# Altium PCB Thunderscope_Rev5.PCBDOC (part 6 of 7) (continued)
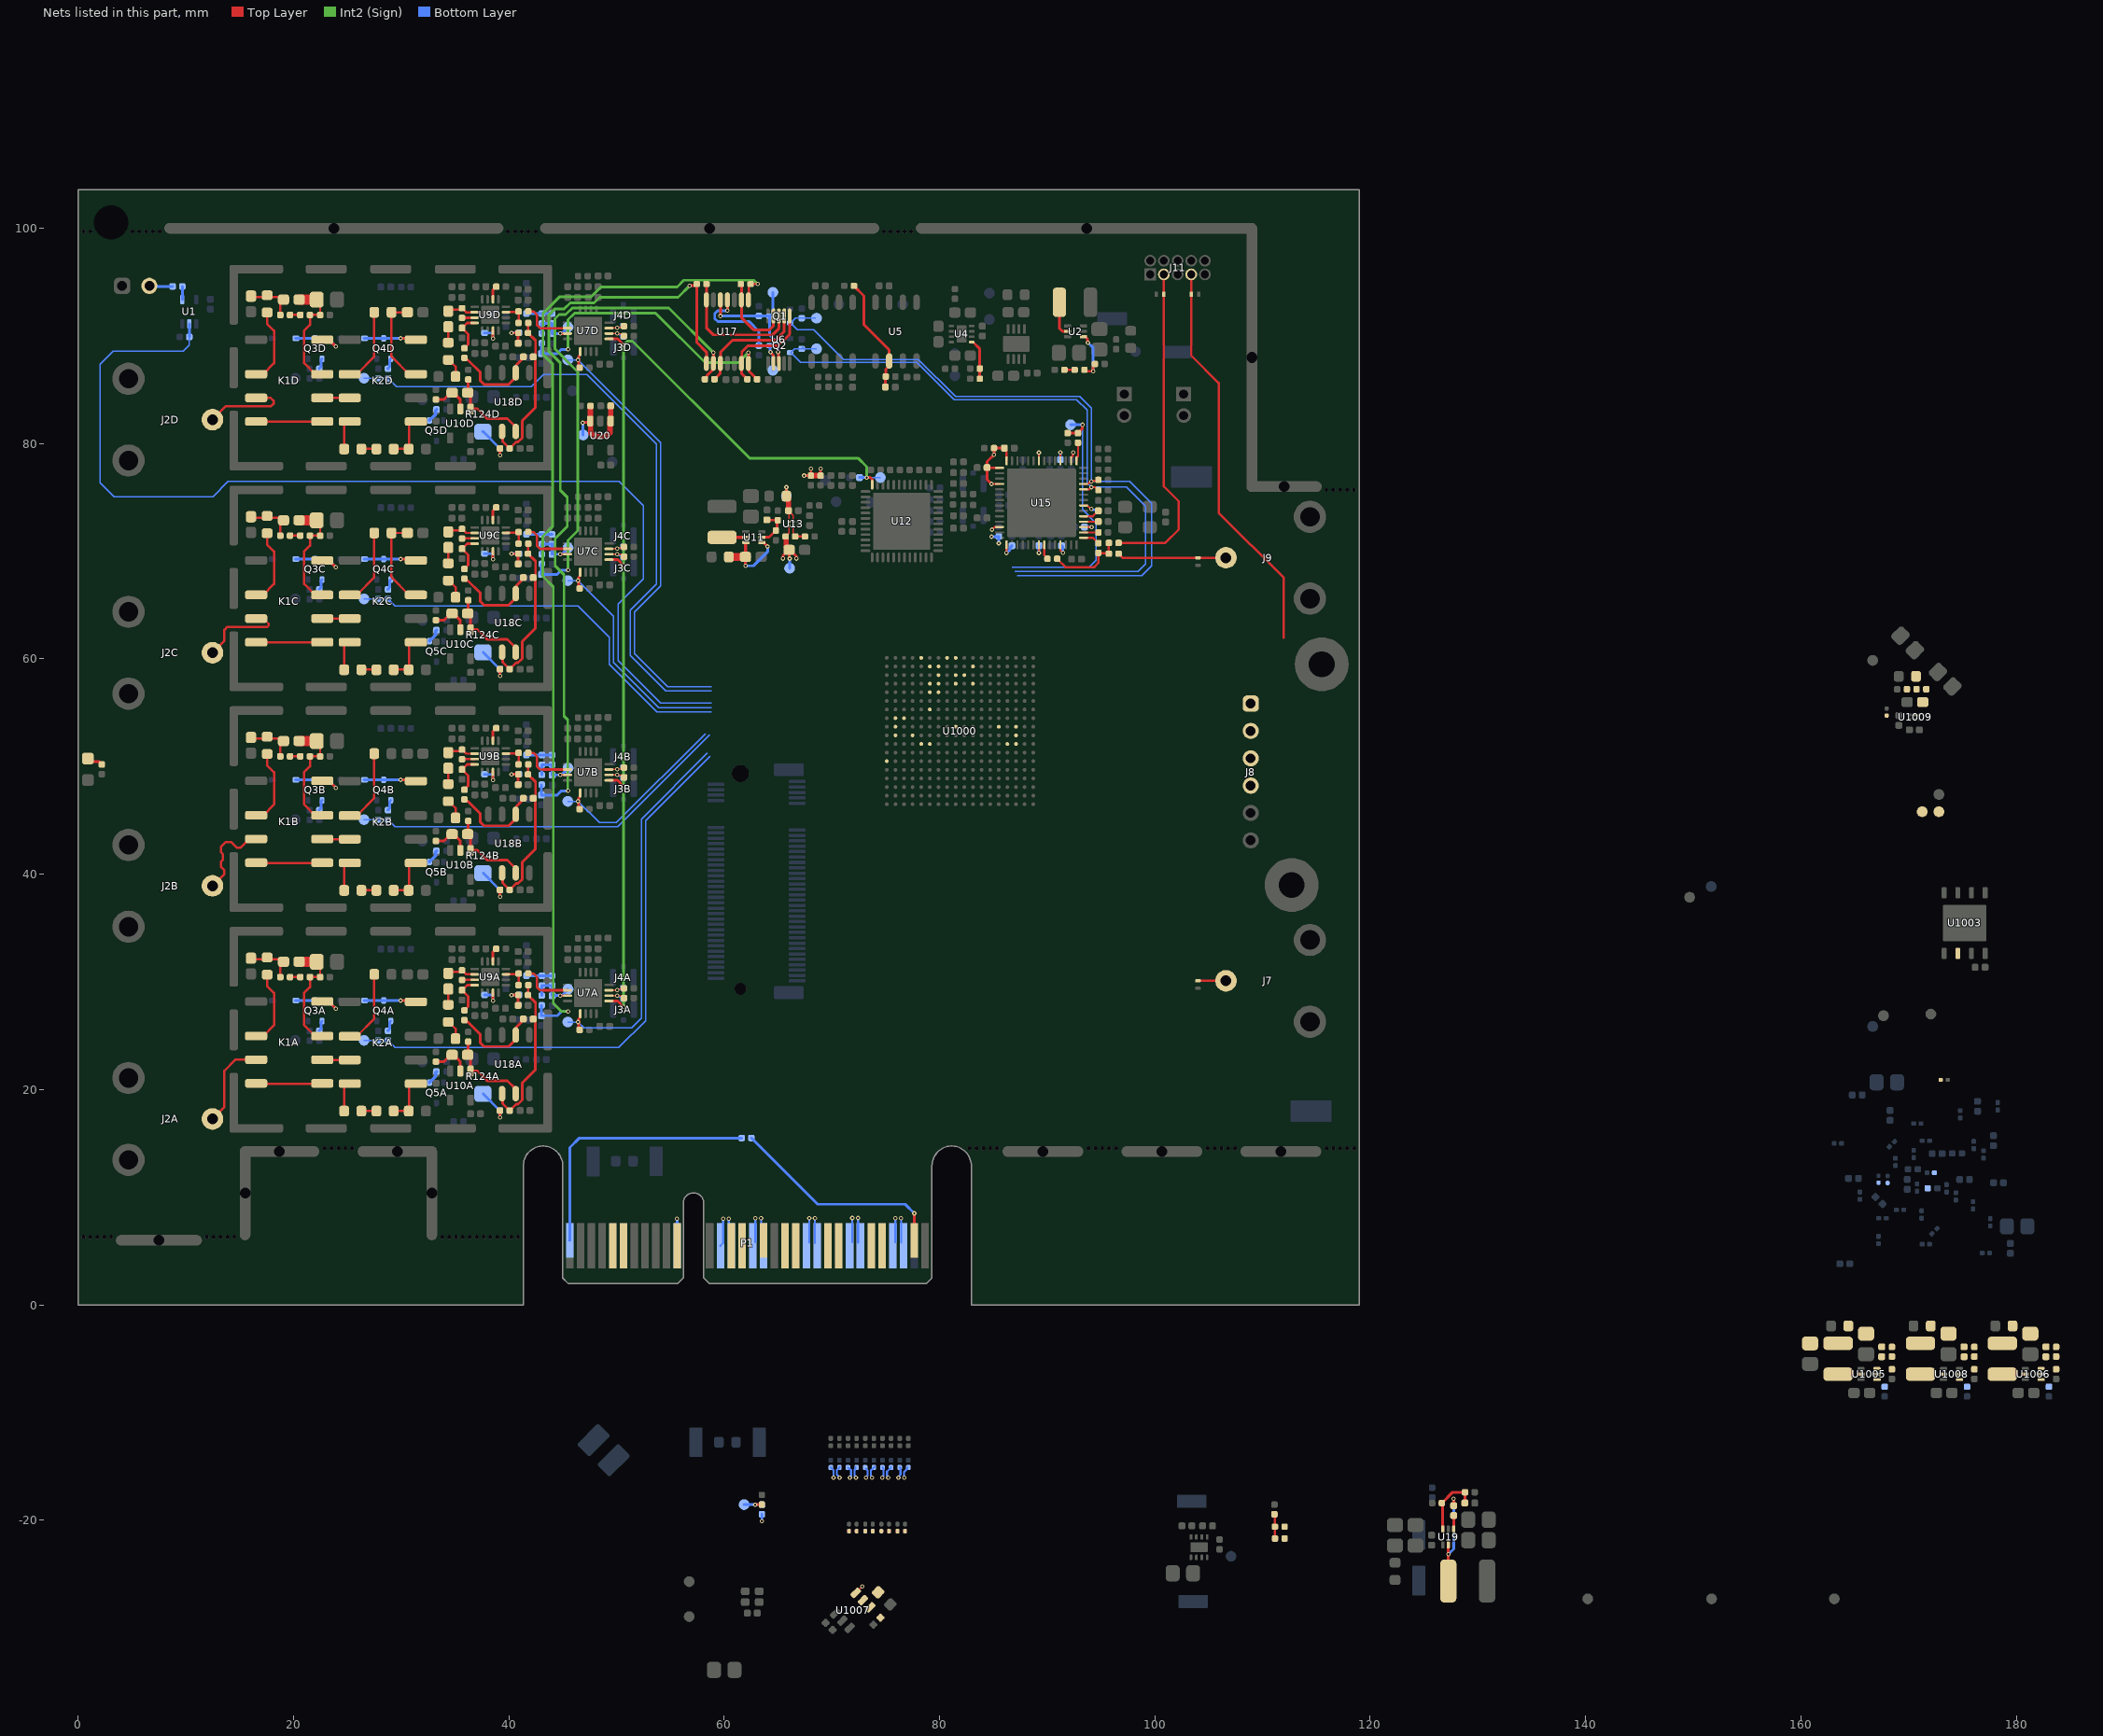
[diagram p10: the nets of this part, all layers, seen from the top]
## Nets (pads, with @x,y where several pads share a name; then routed paths per layer and width w, separated by ;. In a path a pad name is that pad's centre, name@x,y a point inside that pad or via, vN(x,y) a via of type N, cw(c..) or ccw(c..) an arc to the next point about the centre after c; other vN are vias at no path point) (continued)
  Top Layer w0.213: R29A.2@29.3,18.025 R41A.2@30.7,18.025 ; R41A.2@30.725,18 K2A.5@30.725,20.314 ; K2A.5@30.725,20.389 31.011,20.675 K2A.5@31.37,20.675
NetK2B_2: K2B.2 R31B.1 | length 7.1
  Top Layer w0.213: K2B.2@25.225,45.45 25.875,45.45 27.5,47.075 R31B.1@27.5,51.2
NetK2B_4: K2B.4 R30B.1 | length 3
  Top Layer w0.213: R30B.1@24.7,38.5 K2B.4@24.7,40.814 ; K2B.4@24.7,40.889 24.986,41.175 K2B.4@25.23,41.175
NetK2B_5: K2B.5 R29B.2 R41B.2 | length 4.5
  Top Layer w0.213: R29B.2@29.3,38.525 R41B.2@30.7,38.525 ; R41B.2@30.725,38.5 K2B.5@30.725,40.814 ; K2B.5@30.725,40.889 31.011,41.175 K2B.5@31.37,41.175
NetK2C_2: K2C.2 R31C.1 | length 7.1
  Top Layer w0.213: K2C.2@25.225,65.95 25.875,65.95 27.5,67.575 R31C.1@27.5,71.7
NetK2C_4: K2C.4 R30C.1 | length 3
  Top Layer w0.213: R30C.1@24.7,59 K2C.4@24.7,61.314 ; K2C.4@24.7,61.389 24.986,61.675 K2C.4@25.23,61.675
NetK2C_5: K2C.5 R29C.2 R41C.2 | length 4.5
  Top Layer w0.213: R29C.2@29.3,59.025 R41C.2@30.7,59.025 ; R41C.2@30.725,59 K2C.5@30.725,61.314 ; K2C.5@30.725,61.389 31.011,61.675 K2C.5@31.37,61.675
NetK2D_2: K2D.2 R31D.1 | length 7.1
  Top Layer w0.213: K2D.2@25.225,86.45 25.875,86.45 27.5,88.075 R31D.1@27.5,92.2
NetK2D_4: K2D.4 R30D.1 | length 3
  Top Layer w0.213: R30D.1@24.7,79.5 K2D.4@24.7,81.814 ; K2D.4@24.7,81.889 24.986,82.175 K2D.4@25.23,82.175
NetK2D_5: K2D.5 R29D.2 R41D.2 | length 4.5
  Top Layer w0.213: R29D.2@29.3,79.525 R41D.2@30.7,79.525 ; R41D.2@30.725,79.5 K2D.5@30.725,81.814 ; K2D.5@30.725,81.889 31.011,82.175 K2D.5@31.37,82.175
NetL1_2: L1.2 U2.5 | length 3.3
  Top Layer w0.254: L1.2@91.14,93.125 91.14,90.71 91.419,90.431 91.879,90.431 U2.5@91.885,90.425
NetL2_1: L2.1 U11.2 | length 2.2
  Top Layer w0.254: L2.1@59.8,71.29 L2.1@59.805,71.295
  Top Layer w0.3: L2.1@59.81,71.3 U11.2@62.01,71.3
NetL1000_1: L1000.1 U1005.2
NetL1001_1: L1001.1 U1006.2
NetL1002_1: L1002.1 U1008.2
NetQ3A_2: Q3A.2 R47A.1 | length 1
  Bottom Layer w0.254: R47A.1@22.4,25.475 22.55,25.625 22.55,26.275 Q3A.2@22.65,26.375
NetQ3B_2: Q3B.2 R47B.1 | length 1
  Bottom Layer w0.254: R47B.1@22.4,45.975 22.55,46.125 22.55,46.775 Q3B.2@22.65,46.875
NetQ3C_2: Q3C.2 R47C.1 | length 1
  Bottom Layer w0.254: R47C.1@22.4,66.475 22.55,66.625 22.55,67.275 Q3C.2@22.65,67.375
NetQ3D_2: Q3D.2 R47D.1 | length 1
  Bottom Layer w0.254: R47D.1@22.4,86.975 22.55,87.125 22.55,87.775 Q3D.2@22.65,87.875
NetQ4A_2: Q4A.2 R48A.1 | length 1
  Bottom Layer w0.254: R48A.1@28.775,25.475 28.925,25.625 28.925,26.275 Q4A.2@29.025,26.375
NetQ4B_2: Q4B.2 R48B.1 | length 1
  Bottom Layer w0.254: R48B.1@28.775,45.975 28.925,46.125 28.925,46.775 Q4B.2@29.025,46.875
NetQ4C_2: Q4C.2 R48C.1 | length 1
  Bottom Layer w0.254: R48C.1@28.775,66.475 28.925,66.625 28.925,67.275 Q4C.2@29.025,67.375
NetQ4D_2: Q4D.2 R48D.1 | length 1
  Bottom Layer w0.254: R48D.1@28.775,86.975 28.925,87.125 28.925,87.775 Q4D.2@29.025,87.875
NetQ5A_2: Q5A.2 R126A.1 | length 1.3
  Bottom Layer w0.3: Q5A.2@32.625,20.65 32.625,20.715 32.71,20.8 32.775,20.8 33.188,21.213 33.188,21.588 R126A.1@33.275,21.675
NetQ5B_2: Q5B.2 R126B.1 | length 1.3
  Bottom Layer w0.3: Q5B.2@32.625,41.15 32.625,41.215 32.71,41.3 32.775,41.3 33.188,41.713 33.188,42.088 R126B.1@33.275,42.175
NetQ5C_2: Q5C.2 R126C.1 | length 1.3
  Bottom Layer w0.3: Q5C.2@32.625,61.65 32.625,61.715 32.71,61.8 32.775,61.8 33.188,62.213 33.188,62.588 R126C.1@33.275,62.675
NetQ5D_2: Q5D.2 R126D.1 | length 1.3
  Bottom Layer w0.3: Q5D.2@32.625,82.15 32.625,82.215 32.71,82.3 32.775,82.3 33.188,82.713 33.188,83.088 R126D.1@33.275,83.175
NetR1_2: R1.2 U1.4 | length 1.2
  Bottom Layer w0.254: U1.4@9.675,93.375 R1.2@9.675,94.6
NetR10_1: R10.1 R12.2 | length 0.9
  Top Layer w0.254: R10.1@91.6,86.85 R12.2@92.55,86.85
NetR11_1: R11.1 R13.2 U4.5 | length 3.8
  Top Layer w0.254: U4.5@82.991,89.426 83.112,89.426 83.741,88.797 R13.2@83.741,86.976 R11.1@83.741,86.026
NetR12_1: R12.1 R105.2 U2.1 | length 5.3
  Top Layer w0.254: U2.1@93.365,89.925 93.55,89.925 93.746,89.729 93.746,89.404 v1(93.775,89.375) ; R12.1@93.45,86.85 93.58,86.72 v1(94.27,86.72) 94.27,87.245 R105.2@94.425,87.4
  Bottom Layer w0.254: v1(93.775,89.375) 94.27,88.88 v1(94.27,86.72)
NetR28_1: R28.1 U15.29 | length 1.7
  Top Layer w0.2: U15.29@92.725,78.4 92.725,78.725 92.86,78.86 92.86,80.065 R28.1@92.85,80.075
NetR29A_1: R29A.1 R30A.2 | length 1.4
  Top Layer w0.213: R30A.2@26.3,18.025 R29A.1@27.7,18.025
NetR29B_1: R29B.1 R30B.2 | length 1.4
  Top Layer w0.213: R30B.2@26.3,38.525 R29B.1@27.7,38.525
NetR29C_1: R29C.1 R30C.2 | length 1.4
  Top Layer w0.213: R30C.2@26.3,59.025 R29C.1@27.7,59.025
NetR29D_1: R29D.1 R30D.2 | length 1.4
  Top Layer w0.213: R30D.2@26.3,79.525 R29D.1@27.7,79.525
NetR32A_2: R32A.2 R33A.1 | length 0.9
  Top Layer w0.213: R32A.2@19.675,30.45 R33A.1@20.625,30.45
NetR32B_2: R32B.2 R33B.1 | length 0.9
  Top Layer w0.213: R32B.2@19.675,50.95 R33B.1@20.625,50.95
NetR32C_2: R32C.2 R33C.1 | length 0.9
  Top Layer w0.213: R32C.2@19.675,71.45 R33C.1@20.625,71.45
NetR32D_2: R32D.2 R33D.1 | length 0.9
  Top Layer w0.213: R32D.2@19.675,91.95 R33D.1@20.625,91.95
NetR53A_2: R53A.2 R54A.1 | length 1.9
  Top Layer w0.213: R54A.1@34.375,26.275 34.425,26.275 35.05,25.65 R53A.2@35.05,24.725
NetR53B_2: R53B.2 R54B.1 | length 1.9
  Top Layer w0.213: R54B.1@34.375,46.775 34.425,46.775 35.05,46.15 R53B.2@35.05,45.225
NetR53C_2: R53C.2 R54C.1 | length 1.9
  Top Layer w0.213: R54C.1@34.375,67.275 34.425,67.275 35.05,66.65 R53C.2@35.05,65.725
NetR53D_2: R53D.2 R54D.1 | length 1.9
  Top Layer w0.213: R54D.1@34.375,87.775 34.425,87.775 35.05,87.15 R53D.2@35.05,86.225
NetR55A_1: R55A.1 U9A.7 | length 2
  Top Layer w0.127: U9A.7@38.525,29 U9A.7@38.528,28.997 ; v1@38.528,28.245 v1(38.53,28.242)
  Top Layer w0.25: v1@38.528,28.245 U9A.7@38.528,28.997
  Bottom Layer w0.25: R55A.1@37.75,28.775 38.384,28.775 38.53,28.629 v1(38.53,28.242)
NetR55B_1: R55B.1 U9B.7 | length 2
  Top Layer w0.127: U9B.7@38.525,49.5 U9B.7@38.528,49.497 ; v1@38.528,48.745 v1(38.53,48.742)
  Top Layer w0.25: v1@38.528,48.745 U9B.7@38.528,49.497
  Bottom Layer w0.25: R55B.1@37.75,49.275 38.384,49.275 38.53,49.129 v1(38.53,48.742)
NetR55C_1: R55C.1 U9C.7 | length 2
  Top Layer w0.127: U9C.7@38.525,70 U9C.7@38.528,69.997 ; v1@38.528,69.245 v1(38.53,69.242)
  Top Layer w0.25: v1@38.528,69.245 U9C.7@38.528,69.997
  Bottom Layer w0.25: R55C.1@37.75,69.775 38.384,69.775 38.53,69.629 v1(38.53,69.242)
NetR55D_1: R55D.1 U9D.7 | length 2
  Top Layer w0.127: U9D.7@38.525,90.5 U9D.7@38.528,90.497 ; v1@38.528,89.745 v1(38.53,89.742)
  Top Layer w0.25: v1@38.528,89.745 U9D.7@38.528,90.497
  Bottom Layer w0.25: R55D.1@37.75,90.275 38.384,90.275 38.53,90.129 v1(38.53,89.742)
NetR56A_1: R56A.1 R98A.2 U9A.11 | length 2.3
  Top Layer w0.213: U9A.11@39.725,30.7 39.732,30.707 40.832,30.707 R56A.1@40.9,30.775 R98A.2@40.9,29.7
NetR56A_2: R56A.2 U7A.6 | length 7.2
  Top Layer w0.213: R56A.2@41.8,30.775 42.3,30.775 42.6,30.475 42.6,29.525 42.9,29.225 U7A.6@45.45,29.225
  Top Layer w0.25: 44.45,29.225 U7A.6@45.45,29.225
  Top Layer w0.254: 43.125,29.225 44.45,29.225
NetR56B_1: R56B.1 R98B.2 U9B.11 | length 2.3
  Top Layer w0.213: U9B.11@39.725,51.2 39.732,51.207 40.832,51.207 R56B.1@40.9,51.275 R98B.2@40.9,50.2
NetR56B_2: R56B.2 U7B.6 | length 7.2
  Top Layer w0.213: R56B.2@41.8,51.275 42.3,51.275 42.6,50.975 42.6,50.025 42.9,49.725 U7B.6@45.45,49.725
  Top Layer w0.25: 44.45,49.725 U7B.6@45.45,49.725
  Top Layer w0.254: 43.125,49.725 44.45,49.725
NetR56C_1: R56C.1 R98C.2 U9C.11 | length 2.3
  Top Layer w0.213: U9C.11@39.725,71.7 39.732,71.707 40.832,71.707 R56C.1@40.9,71.775 R98C.2@40.9,70.7
NetR56C_2: R56C.2 U7C.6 | length 7.2
  Top Layer w0.213: R56C.2@41.8,71.775 42.3,71.775 42.6,71.475 42.6,70.525 42.9,70.225 U7C.6@45.45,70.225
  Top Layer w0.25: 44.45,70.225 U7C.6@45.45,70.225
  Top Layer w0.254: 43.125,70.225 44.45,70.225
NetR56D_1: R56D.1 R98D.2 U9D.11 | length 2.3
  Top Layer w0.213: U9D.11@39.725,92.2 39.732,92.207 40.832,92.207 R56D.1@40.9,92.275 R98D.2@40.9,91.2
NetR56D_2: R56D.2 U7D.6 | length 4.8
  Top Layer w0.213: R56D.2@41.8,92.275 42.3,92.275 42.6,91.975 42.6,91.025 42.9,90.725 U7D.6@45.45,90.725
NetR59_1: R59.1 R61.2 U13.B1 | length 1.9
  Top Layer w0.127: U13.B1@66.425,72.35 66.425,71.55 R59.1@66.6,71.375
  Top Layer w0.254: R59.1@66.6,71.375 R61.2@67.5,71.375
NetR65A_1: R65A.1 U9A.3 | length 1.2
  Top Layer w0.25: R65A.1@35.65,30.175 35.675,30.2 U9A.3@36.825,30.2
NetR65B_1: R65B.1 U9B.3 | length 1.2
  Top Layer w0.25: R65B.1@35.65,50.675 35.675,50.7 U9B.3@36.825,50.7
NetR65C_1: R65C.1 U9C.3 | length 1.2
  Top Layer w0.25: R65C.1@35.65,71.175 35.675,71.2 U9C.3@36.825,71.2
NetR65D_1: R65D.1 U9D.3 | length 1.2
  Top Layer w0.25: R65D.1@35.65,91.675 35.675,91.7 U9D.3@36.825,91.7
NetR88_1: R88.1 U15.8 | length 1.4
  Top Layer w0.2: U15.8@89.725,70.6 89.725,69.647 90.025,69.347 R88.1@90.025,69.3
NetR120A_2: R120A.2 U9A.14 | length 1.3
  Top Layer w0.254: U9A.14@38.525,31.9 38.525,32.763 38.825,33.063 R120A.2@38.825,33.075
NetR120B_2: R120B.2 U9B.14 | length 1.3
  Top Layer w0.254: U9B.14@38.525,52.4 38.525,53.263 38.825,53.563 R120B.2@38.825,53.575
NetR120C_2: R120C.2 U9C.14 | length 1.3
  Top Layer w0.254: U9C.14@38.525,72.9 38.525,73.763 38.825,74.063 R120C.2@38.825,74.075
NetR120D_2: R120D.2 U9D.14 | length 1.3
  Top Layer w0.254: U9D.14@38.525,93.4 38.525,94.263 38.825,94.563 R120D.2@38.825,94.575
NetR121A_1: R121A.1 R123A.2 R124A.2 | length 3.5
  Top Layer w0.254: v1(39.175,17.42) R121A.1@39.175,18.05
  Bottom Layer w0.254: R124A.2@37.625,19.6 R123A.2@39.175,18.05 v1(39.175,17.42)
NetR121B_1: R121B.1 R123B.2 R124B.2 | length 3.5
  Top Layer w0.254: v1(39.175,37.92) R121B.1@39.175,38.55
  Bottom Layer w0.254: R124B.2@37.625,40.1 R123B.2@39.175,38.55 v1(39.175,37.92)
NetR121C_1: R121C.1 R123C.2 R124C.2 | length 3.5
  Top Layer w0.254: v1(39.175,58.42) R121C.1@39.175,59.05
  Bottom Layer w0.254: R124C.2@37.625,60.6 R123C.2@39.175,59.05 v1(39.175,58.42)
NetR121D_1: R121D.1 R123D.2 R124D.2 | length 3.5
  Top Layer w0.254: v1(39.175,78.92) R121D.1@39.175,79.55
  Bottom Layer w0.254: R124D.2@37.575,81.1 37.625,81.1 R123D.2@39.175,79.55 v1(39.175,78.92)
NetR1041_2: R1041.2 U1000.A6
NetR1044_1: R1044.1 U1000.T10
NetR1045_1: R1045.1 U1000.P10
NetR1047_1: R1047.1 U1005.4
NetR1059_1: R1059.1 R1061.2 U1009.B1
NetTP1009_1: TP1009.1 U1000.F12
OSC_OE: R28.2 R89.1 TP44.1 U1000.G15 | length 24.2
  Top Layer w0.254: R89.1@91.9,80.975 R28.2@92.85,80.975 92.85,80.987 93.246,81.383 93.246,81.721 v1(93.275,81.75)
  Bottom Layer w0.127: 86.725,68.5 93.875,68.5 94.55,69.175 94.55,72.6 93.275,73.875 v1(93.275,81.75)
  Bottom Layer w0.254: TP44.1@92.175,81.75 v1(93.275,81.75)
OUT_RA_N: J3A.1 R97A.1 U7A.14 | length 1.7
  Top Layer w0.127: U7A.14@49.353,28.725 v1(50.075,28.725) 50.128,28.672 R97A.1@50.528,28.672 ; R97A.1@50.536,28.664 R97A.1@50.586,28.614
  Bottom Layer w0.127: v1(50.075,28.725) 50.151,28.725 50.285,28.591 J3A.1@50.484,28.591
OUT_RA_P: J4A.1 R52A.1 U7A.15 | length 1.8
  Top Layer w0.127: U7A.15@49.3,29.225 49.317,29.241 50.038,29.241 50.108,29.311 R52A.1@50.611,29.311 ; R52A.1@50.503,29.303 R52A.1@50.553,29.253
  Bottom Layer w0.127: v1(50.055,29.258) 50.072,29.275 J4A.1@50.465,29.275
OUT_RB_N: J3B.1 R97B.1 U7B.14 | length 1.7
  Top Layer w0.127: U7B.14@49.353,49.225 v1(50.075,49.225) 50.128,49.172 R97B.1@50.528,49.172 ; R97B.1@50.561,49.139 R97B.1@50.586,49.114
  Bottom Layer w0.127: v1(50.075,49.225) 50.151,49.225 50.285,49.091 J3B.1@50.484,49.091
OUT_RB_P: J4B.1 R52B.1 U7B.15 | length 1.8
  Top Layer w0.127: U7B.15@49.3,49.725 49.317,49.741 50.038,49.741 50.108,49.811 R52B.1@50.611,49.811 ; R52B.1@50.528,49.778 R52B.1@50.553,49.753
  Bottom Layer w0.127: v1(50.055,49.758) 50.072,49.775 J4B.1@50.465,49.775
OUT_RC_N: J3C.1 R97C.1 U7C.14 | length 1.7
  Top Layer w0.127: U7C.14@49.353,69.725 v1(50.075,69.725) 50.128,69.672 R97C.1@50.528,69.672 ; R97C.1@50.561,69.639 R97C.1@50.586,69.614
  Bottom Layer w0.127: v1(50.075,69.725) 50.151,69.725 50.285,69.591 J3C.1@50.484,69.591
OUT_RC_P: J4C.1 R52C.1 U7C.15 | length 1.8
  Top Layer w0.127: U7C.15@49.3,70.225 49.317,70.242 50.038,70.242 50.108,70.311 R52C.1@50.611,70.311 ; R52C.1@50.528,70.278 R52C.1@50.553,70.253
  Bottom Layer w0.127: v1(50.055,70.258) 50.072,70.275 J4C.1@50.465,70.275
OUT_RD_N: J3D.1 R97D.1 U7D.14 | length 2.1
  Top Layer w0.127: U7D.14@49.353,90.225 v1(50.075,90.225) 50.128,90.172 50.528,90.172 R97D.1@50.7,90
  Bottom Layer w0.127: v1(50.075,90.225) 50.151,90.225 50.285,90.091 50.484,90.091 J3D.1@50.65,89.925
OUT_RD_P: J4D.1 R52D.1 U7D.15 | length 2.1
  Top Layer w0.127: U7D.15@49.3,90.725 49.317,90.742 50.038,90.742 50.108,90.811 50.611,90.811 R52D.1@50.7,90.9
  Bottom Layer w0.127: v1(50.055,90.758) 50.072,90.775 50.465,90.775 J4D.1@50.631,90.941
PCIe_PER0_N: C74.1 P1.A17 | length 3.3
  Bottom Layer w0.191: P1.A17@63.429,5.765 v1(63.429,8.054) ; C74.1@72.199,-15.102 72.199,-15.227 72.099,-15.327 72.099,-15.843 72.234,-15.978 v1(72.234,-16.037)
PCIe_PER0_P: C75.1 P1.A16 | length 3.4
  Bottom Layer w0.191: P1.A16@62.896,5.808 v1(62.896,8.054) ; C75.1@71.488,-15.117 71.602,-15.23 71.663,-15.23 71.781,-15.348 71.781,-15.871 71.674,-15.978 v1(71.674,-16.037)
PCIe_PER1_N: C70.1 P1.A22 | length 3.4
  Bottom Layer w0.191: P1.A22@68.429,5.755 v1(68.429,8.043) ; v1(73.734,-16.037) 73.734,-15.978 73.624,-15.868 73.624,-15.376 73.77,-15.23 73.785,-15.23 73.939,-15.076 C70.1@73.939,-15.061
PCIe_PER1_P: C71.1 P1.A21 | length 3.2
  Bottom Layer w0.191: P1.A21@67.896,5.797 v1(67.896,8.043) ; C71.1@73.163,-15.23 73.202,-15.23 73.207,-15.236 73.207,-15.275 73.307,-15.374 73.307,-15.846 73.174,-15.978 v1(73.174,-16.037)
PCIe_PER2_N: C66.1 P1.A26 | length 3.4
  Bottom Layer w0.191: P1.A26@72.429,5.776 v1(72.429,8.065) ; v1(75.234,-16.037) 75.234,-15.978 75.113,-15.857 75.113,-15.493 75.375,-15.23 75.385,-15.23 75.499,-15.117 C66.1@75.499,-15.102
PCIe_PER2_P: C67.1 P1.A25 | length 3.3
  Bottom Layer w0.191: P1.A25@71.896,5.819 v1(71.896,8.065) ; v1(74.674,-16.037) 74.674,-15.978 74.795,-15.857 74.795,-15.198 C67.1@74.699,-15.102
PCIe_PER3_N: C62.1 P1.A30 | length 3.4
  Bottom Layer w0.191: P1.A30@76.429,5.762 v1(76.429,8.051) ; v1(76.734,-16.037) 76.698,-16 76.698,-15.517 76.999,-15.217 C62.1@76.999,-15.102
PCIe_PER3_P: C15.1 P1.A29 | length 3.3
  Bottom Layer w0.191: P1.A29@75.896,5.805 v1(75.896,8.051) ; v1(76.174,-16.037) 76.174,-15.978 76.38,-15.772 76.38,-15.183 C15.1@76.299,-15.102
PCIe_PERST#: P1.A11 R84.2 | length 3.1
  Bottom Layer w0.254: v1(55.616,8) 55.633,7.983 55.633,5.517 P1.A11@55.65,5.5 ; v1(63.5,-20.08) R84.2@63.5,-19.45
PCIe_PET0_N: P1.B15 R80.2
PCIe_PET0_P: P1.B14 R81.2
PCIe_PET1_N: P1.B20 R76.2
PCIe_PET1_P: P1.B19 R77.2
PCIe_PET2_N: P1.B24 R72.2
PCIe_PET2_P: P1.B23 R73.2
PCIe_PET3_N: P1.B28 R68.2
PCIe_PET3_P: P1.B27 R69.2
PCIe_REFCLK_N: C40.1 P1.A14 | length 3.7
  Bottom Layer w0.191: v1(60.429,8.009) 60.429,5.721 P1.A14@60.65,5.5 ; C40.1@70.699,-15.102 70.699,-15.127 70.466,-15.359 70.466,-15.742 70.724,-15.999 v1(70.724,-16.037)
PCIe_REFCLK_P: C79.1 P1.A13 | length 3.7
  Bottom Layer w0.191: P1.A13@59.65,5.5 59.905,5.755 59.896,5.763 v1(59.896,8.009) ; C79.1@69.899,-15.102 69.899,-15.117 70.013,-15.23 70.022,-15.23 70.149,-15.357 v1(70.149,-16.037)
PERST#: R84.1 R85.1 TP39.1 U1000.B10 | length 2.3
  Top Layer w0.254: v1(62.87,-18.55) R85.1@63.5,-18.55
  Bottom Layer w0.254: TP39.1@61.85,-18.55 v1(62.87,-18.55) R84.1@63.5,-18.55
PG_1V0: R1052.1 U1005.6 U1006.4
PG_1V8: R1057.1 U1006.6 U1007.3 U1008.4 | length 0.8
  Top Layer w0.127: U1007.3@72.22,-26.747 v1@72.808,-26.159
  other v1: 72.812,-26.159
PGA_CSn_1: R51A.1 TP24A.1 U7A.9 U1000.G17 | length 36.3
  Top Layer w0.25: v1(46.425,26.275) 46.488,26.212 46.488,25.662 R51A.1@46.6,25.55 ; v1@46.442,26.275 46.488,26.321 46.488,26.58 46.625,26.717 U7A.9@46.625,27.05
  Bottom Layer w0.127: TP24A.1@45.475,26.275 v1(46.425,26.275) 46.975,25.725 51.425,25.725 52.325,26.625 52.325,45.125 58.445,51.245
PGA_CSn_2: R51B.1 TP24B.1 U7B.9 U1000.F14 | length 18.6
  Top Layer w0.25: v1(46.425,46.775) 46.488,46.712 46.488,46.162 R51B.1@46.6,46.05 ; v1@46.442,46.775 46.488,46.821 46.488,47.08 46.625,47.217 U7B.9@46.625,47.55
  Bottom Layer w0.127: TP24B.1@45.475,46.775 v1(46.425,46.775) 48.4,44.8 49.977,44.8 58.236,53.059
PGA_CSn_3: R51C.1 TP24C.1 U7C.9 U1000.C11 | length 22.4
  Top Layer w0.25: v1(46.425,67.275) 46.488,67.212 46.488,66.662 R51C.1@46.6,66.55 ; v1@46.442,67.275 46.488,67.321 46.488,67.58 46.625,67.717 U7C.9@46.625,68.05
  Bottom Layer w0.127: TP24C.1@45.475,67.275 v1(46.425,67.275) 49.725,63.975 49.725,59.678 53.928,55.475 58.8,55.475
PGA_CSn_4: R51D.1 TP24D.1 U7D.9 U1000.E18 | length 42.5
  Top Layer w0.25: v1(46.425,87.775) 46.488,87.712 46.488,87.162 R51D.1@46.6,87.05 ; v1@46.442,87.775 46.488,87.821 46.488,88.08 46.625,88.217 U7D.9@46.625,88.55
  Bottom Layer w0.127: TP24D.1@45.475,87.775 v1(46.425,87.775) 54.1,80.1 54.1,66.775 51.675,64.35 51.675,60.486 54.736,57.425 58.8,57.425
PROBE_COMP: R2.2 U1.2 U1000.B11 | length 100.1
  Bottom Layer w0.127: R2.2@10.325,89.9 10.325,89.15 9.75,88.575 3.25,88.575 2.05,87.375 2.05,76.375 3.35,75.075 12.525,75.075 13.925,76.475 50.244,76.475 52.475,74.244 52.475,67.425 50.15,65.1 50.15,59.854 54.104,55.9 58.8,55.9
  Bottom Layer w0.254: R2.2@10.325,89.9 U1.2@10.325,91.125
PRSNT1#: P1.A1 R86.1 | length 25
  Bottom Layer w0.254: P1.A1@45.637,6.012 P1.A1@45.65,6 45.675,6.025 45.675,14.625 46.55,15.5 R86.1@61.625,15.5
PRSNT2#_1: P1.B17
PRSNT2#_4: P1.B31 R86.2 | length 20.5
  Top Layer w0.254: P1.B31@77.65,6 v1(77.65,8.5)
  Bottom Layer w0.254: R86.2@62.525,15.5 68.675,9.35 76.8,9.35 v1(77.65,8.5)
PUDC: R1012.1 U1000.J18
QSPI_CLK: TP1008.1 U1000.E8 U1003.6
QSPI_CS: U1003.1
QSPI_CS: U1000.L15
QSPI_DQ0: U1003.5
QSPI_DQ0: U1000.K16
QSPI_DQ1: U1003.2
QSPI_DQ1: U1000.L17
QSPI_DQ2: U1003.3
QSPI_DQ2: U1000.J15
QSPI_DQ3: U1003.7
QSPI_DQ3: U1000.J16
REFINOUT: C96.2 R88.2 R106.2 R107.2 | length 7.2
  Top Layer w0.213: R88.2@90.925,69.3 91.725,68.5 94.325,68.5 94.75,68.925 94.75,69.84 94.783,69.808 95.693,69.808 R106.2@95.725,69.775 R107.2@95.725,70.775
REFINOUT1: D5.1 J9.1 R106.1 | length 10.1
  Top Layer w0.213: R106.1@96.625,69.775 97,69.4 J9.1@106.6,69.4
REFINOUT2: D6.1 J11.3 R107.1 | length 30.4
  Top Layer w0.213: R107.1@96.625,70.775 100.975,70.775 102.225,72.025 102.225,74.625 100.835,76.015 J11.3@100.835,95.715
SCL: Q2.3 R21.1 R90.1 TP43.1 U15.24 U1000.D9 | length 65.1
  Top Layer w0.2: U15.24@93.375,75.75 93.88,75.75 94.08,75.95 v1(94.1,75.95) 94.448,75.95 94.723,75.675 R90.1@94.75,75.675
  Bottom Layer w0.127: Q2.3@66.125,88.45 Q2.3@66.19,88.45 ; R21.1@67.375,88.975 R21.1@67.2,88.8 ; TP43.1@68.575,88.8 R21.1@67.2,88.8 ; 86.975,68.125 98.45,68.125 99.15,68.825 99.15,74.175 97.375,75.95 v1(94.1,75.95) 94.093,75.95 93.7,76.343 93.7,83.109 92.734,84.075 86.975,84.075 81.351,84.075 77.901,87.525 67.115,87.525 Q2.3@66.19,88.45 ; Q2.3@66.19,88.45 66.54,88.8 R21.1@67.2,88.8
SCL_5V: Q2.1 R23.1 TP20.1 U6.2 U17.4 | length 13.3
  Top Layer w0.254: v1(60.3,92.35) U17.4@60.3,93.35 ; v1(64.3,88.5) 64.3,88.459 64.557,88.202 64.557,87.468 U6.2@64.575,87.45
  Bottom Layer w0.254: v1(60.3,92.35) 59.4,92.35 59.125,92.075 59.125,91.6 59.4,91.325 62.325,91.325 63.225,90.425 R23.1@63.225,89.1 64.1,89.1 64.29,89.1 64.271,89.081 64.271,88.529 v1(64.3,88.5) 64.3,88.459 64.525,88.234 TP20.1@64.525,86.8
SDA: Q1.3 R20.1 R91.1 TP42.1 U15.25 U1000.G16 | length 67.3
  Top Layer w0.2: U15.25@93.375,76.25 93.792,76.25 94.002,76.461 94.061,76.461 v1(94.1,76.5) ; v1@94.141,76.5 v1(94.1,76.5) ; R91.1@94.629,76.504 R91.1@94.663,76.537 ; R91.1@94.713,76.537 R91.1@94.663,76.537 ; R91.1@94.75,76.625 R91.1@94.663,76.537 ; v1(94.1,76.5) 94.138,76.537 R91.1@94.663,76.537
  Bottom Layer w0.127: Q1.3@66.125,91.2 Q1.3@66.19,91.2 ; TP42.1@68.475,91.65 R20.1@67.2,91.65 66.64,91.65 Q1.3@66.19,91.2 ; 87.2,67.725 98.775,67.725 99.675,68.625 99.675,74.475 97.65,76.5 v1(94.1,76.5) 94.1,83.275 93,84.375 81.475,84.375 78.025,87.825 71.075,87.825 68.325,90.575 66.815,90.575 Q1.3@66.19,91.2
SDA_5V: Q1.1 R22.1 TP21.1 U6.3 U17.5 | length 13.2
  Top Layer w0.254: v1(59.65,91.85) U17.5@59.65,93.35 ; v1(65,88.5) 65,88.459 65.057,88.402 65.057,87.468 U6.3@65.075,87.45
  Bottom Layer w0.254: v1(59.65,91.85) R22.1@63.225,91.85 Q1.1@64.225,91.85 ; TP21.1@64.525,94.025 64.532,94.018 64.532,92.092 64.29,91.85 Q1.1@64.225,91.85 ; v1(65,88.5) 65,89.3 64.9,89.4 64.225,90.075 Q1.1@64.225,91.85
SMCLK: P1.B5
SMDAT: P1.B6
SYNC: R108.2 R109.2 R110.2 U1000.H18 | length 2.5
  Top Layer w0.213: R108.2@111.021,-21.829 R108.2@111.15,-21.7 111.15,-19.5 R110.2@111.1,-19.45
SYNC1: D4.1 J7.1 R108.1 | length 2.6
  Top Layer w0.213: D4.1@104,30.1 J7.1@106.6,30.1
SYNC2: D7.1 J11.7 R109.1 | length 37.3
  Top Layer w0.213: J11.7@103.375,95.715 D7.1@103.375,93.875 103.375,88.175 105.925,85.625 105.925,73.575 111.975,67.525 111.975,61.975
TCK: J8.4 U1000.F8
TDI: J8.2 U1000.T9
TDO: J8.3 U1000.T8
TERM_1: R48A.2 R50A.2 TP23A.1 U1000.G14 | length 54.5
  Bottom Layer w0.127: TP23A.1@26.55,24.575 R48A.2@28.775,24.575 ; R48A.2@28.775,24.55 29.425,23.9 50.2,23.9 52.7,26.4 52.7,44.97 58.71,50.98
TERM_2: R48B.2 R50B.2 TP23B.1 U1000.F15 | length 35.9
  Bottom Layer w0.127: TP23B.1@26.55,45.075 R48B.2@28.775,45.075 ; R48B.2@28.775,45.05 29.425,44.4 50.1,44.4 58.648,52.948
TERM_3: R48C.2 R50C.2 TP23C.1 U1000.F17 | length 38
  Bottom Layer w0.127: TP23C.1@26.55,65.575 R48C.2@28.775,65.575 ; R48C.2@28.775,65.55 29.425,64.9 46.425,64.9 49.325,62 49.325,59.512 53.762,55.075 58.8,55.075
TERM_4: R48D.2 R50D.2 TP23D.1 U1000.B9 | length 60.1
  Bottom Layer w0.127: TP23D.1@26.55,86.075 R48D.2@28.775,86.075 ; R48D.2@28.775,86.05 29.55,85.275 42.1,85.275 43.225,86.4 47.25,86.4 53.7,79.95 53.7,66.941 51.275,64.516 51.275,60.32 54.57,57.025 58.8,57.025
TEST: R111.2 U15.21 | length 1.6
  Top Layer w0.2: U15.21@93.375,74.25 93.72,74.25 94.039,73.931 v1(94.09,73.931)
  Bottom Layer w0.2: v1(94.09,73.931) 94.146,73.931 94.23,73.847 94.603,73.847 R111.2@94.725,73.725
TMS: J8.1 U1000.R8
TRIM1: C131A.1 FB7A.1 R15.1 U17.1 | length 94.1
  Top Layer w0.25: U17.1@62.25,93.35 62.288,93.388 62.288,94.738 62.375,94.825 v1(63.1,94.825)
  Int2 (Sign) w0.254: v1(45.5,27.25) 44.878,27.25 44.125,28.003 44.125,66.7 43.15,67.675 43.15,71.4 44.075,72.325 44.075,87.375 43.175,88.275 43.175,92.1 44.725,93.65 47.65,93.65 48.55,94.55 55.625,94.55 56.25,95.175 62.75,95.175 v1(63.1,94.825)
  Bottom Layer w0.254: C131A.1@43.025,26.86 44.485,26.86 44.875,27.25 v1(45.5,27.25) ; C131A.1@43.038,26.872 FB7A.1@43.038,27.812
TRIM2: C131B.1 FB7B.1 R17.1 U17.8 | length 72.1
  Top Layer w0.25: v1(56.775,94.65) 56.817,94.65 56.849,94.682 57.307,94.682 R17.1@57.45,94.825 57.45,89.4 58.35,88.5 U17.8@58.35,87.45
  Int2 (Sign) w0.254: v1(45.5,47.75) 45.471,47.779 45.471,54.346 45.125,54.692 45.125,67.825 44.3,68.65 44.3,71.186 45.425,72.311 45.425,75.025 44.775,75.675 44.775,87.5 43.7,88.575 43.7,91.925 44.3,92.525 45.15,92.525 45.7,93.075 47.925,93.075 48.45,93.6 55.725,93.6 v1(56.775,94.65)
  Bottom Layer w0.254: C131B.1@43.025,47.36 44.485,47.36 44.875,47.75 v1(45.5,47.75) ; C131B.1@43.038,47.372 FB7B.1@43.038,48.312
TRIM3: C131C.1 FB7C.1 R18.1 U17.9 | length 47.9
  Top Layer w0.25: R18.1@58.188,85.988 R18.1@58.2,85.975 58.36,86.135 58.36,86.28 59,86.921 v1(59,88.45)
  Int2 (Sign) w0.25: v1(45.5,68.25) 45.5,71 46.413,71.913 46.413,86.663
  Int2 (Sign) w0.254: 46.413,86.663 44.275,88.8 44.275,91.597 44.661,91.982 45.282,91.982 45.9,92.6 54.85,92.6 v1(59,88.45)
  Bottom Layer w0.254: C131C.1@43.025,67.86 44.485,67.86 44.875,68.25 v1(45.5,68.25) ; C131C.1@43.038,67.873 FB7C.1@43.038,68.813
TRIM4: C131D.1 FB7D.1 R19.1 U17.14 | length 28.5
  Top Layer w0.25: v1(62.25,88.45) U17.14@62.25,87.45 62.288,87.412 62.288,86.75 63.05,85.989 R19.1@63.05,85.975 R19.1@63.075,85.95
  Int2 (Sign) w0.254: v1(45.5,88.75) 45.5,91.5 46.1,92.1 53.65,92.1 58.225,87.525 60.35,87.525 61.325,87.525 v1(62.25,88.45)
  Bottom Layer w0.254: FB7D.1@43.05,89.325 43.038,89.313 43.038,88.373 C131D.1@43.025,88.36 44.485,88.36 44.875,88.75 v1(45.5,88.75)
VCM: C134.2 TP16.1 U7A.13 U7B.13 U7C.13 U7D.13 U12.48 | length 99.4
  Top Layer w0.254: U7A.13@49.3,28.225 50.1,28.225 v1(50.65,27.675) ; U7B.13@49.3,48.725 50.1,48.725 v1(50.65,48.175) ; U7C.13@49.3,69.225 50.1,69.225 v1(50.65,68.675) ; U7D.13@49.3,89.725 50.1,89.725 v1(50.65,89.175) ; v1(73.229,76.846) 73.584,76.846 73.743,76.687 U12.48@73.743,76.175
  Int2 (Sign) w0.254: v1(50.65,27.675) v1(50.65,48.175) v1(50.65,68.675) v1(50.65,89.175) 51,89.525 51.475,89.525 62.35,78.65 72.425,78.65 73.229,77.846 v1(73.229,76.846)
  Bottom Layer w0.127: v1(73.229,76.846) 73.231,76.848 74.498,76.848 TP16.1@74.5,76.85
  Bottom Layer w0.254: C134.2@72.56,76.85 72.562,76.848 73.227,76.848 v1(73.229,76.846)
VDDH: C88.1 C90.1 C93.1 C94.1 C95.1 C112.1 C113.1 FB5.2 U15.1 U15.7 U15.11 U15.17 U15.30 U15.32 U15.36 U15.42 U15.43 U15.46 U15.54 | length 17.8
  Top Layer w0.2: C95.1@84.41,77.775 84.435,77.75 U15.43@85.575,77.75 ; v1(84.82,76.25) U15.46@85.575,76.25 ; v1(84.875,72) 85.125,72.25 U15.54@85.575,72.25 ; C112.1@86.015,79.575 86.015,79.543 86.225,79.333 U15.42@86.225,78.4 ; v1(86.225,69.845) U15.1@86.225,70.6 ; v1(89.225,69.845) U15.7@89.225,70.6 ; U15.36@89.225,78.4 v1(89.225,79.155) ; U15.11@91.225,70.6 91.225,70.075 v1(91.45,69.85) ; U15.32@91.225,78.4 v1(91.225,79.175) ; U15.30@92.225,78.4 92.225,78.725 92.386,78.886 92.386,79.136 v1(92.425,79.175) ; U15.17@93.375,72.25 v1(94.13,72.25)
  Top Layer w0.254: v1(84.82,76.25) 84.82,76.257 84.41,76.666 C95.1@84.41,77.775 84.427,77.792 84.427,78.327 v1(85.05,78.95) FB5.2@85.05,79.575 85.983,79.575 C112.1@86.015,79.543
  Bottom Layer w0.254: v1(86.225,69.845) 86.552,70.172 86.552,70.342 C90.1@86.725,70.515 ; v1(89.225,69.845) C113.1@89.225,70.515 ; C88.1@91.225,78.51 v1(91.225,79.175) ; C93.1@91.325,70.515 91.421,70.419 91.421,69.879 v1(91.45,69.85) ; C94.1@93.46,72.25 v1(94.13,72.25)
VOUT1: R15.2 U6.9 U17.2 | length 7.7
  Top Layer w0.254: R15.2@61.475,94.825 61.6,94.7 U17.2@61.6,93.35 61.6,91.7 62.725,90.575 64.225,90.575 64.575,90.925 U6.9@64.575,91.85
VOUT2: R17.2 U6.8 U17.7 | length 12.5
  Top Layer w0.254: R17.2@58.35,94.825 U17.7@58.35,93.35 58.35,90.75 59,90.1 64.5,90.1 65.069,90.669 65.069,91.819 65.057,91.832 U6.8@65.075,91.85
VOUT3: R18.2 U6.7 U17.10 | length 10.9
  Top Layer w0.254: R18.2@59.1,85.975 59.625,86.5 59.625,87.425 U17.10@59.65,87.45 59.65,88.475 60.775,89.6 64.75,89.6 65.575,90.425 U6.7@65.575,91.85
VOUT4: R19.2 U6.6 U17.13 | length 9.6
  Top Layer w0.254: U17.13@61.6,87.45 U17.13@61.625,87.425 ; R19.2@62.15,85.975 61.625,86.5 U17.13@61.625,87.425 ; U6.6@66.075,91.85 66.075,90.15 65,89.075 62.2,89.075 61.638,88.513 61.638,87.438 U17.13@61.625,87.425
WAKE#: P1.B11
pads on no net: FID1000.1 FID1001.1 FID1002.1 FID1003.1 FID1004.1 FID1005.1 FID1006.1 FID1007.1 J10.1 J10.7 J10.9 J10.11 J10.21 J10.23 J10.25 J10.27 J10.29 J10.31 J10.33 J10.35 J10.37 J10.39 J10.41 J10.43 J10.45 J10.47 J10.55 J10.57 J10.67 J10.68 J10.75 J10.78 J10.79 P1.A19 P1.A32 P1.B12 P1.B30 R124A.1 R124B.1 R124C.1 R124D.1 U1.1 U5.1 U5.5 U5.8 U6.5 U7A.1 U7A.2 U7A.16 U7B.1 U7B.2 U7B.16 U7C.1 U7C.2 U7C.16 U7D.1 U7D.2 U7D.16 U8.1 U8.5 U8.8 U9A.9 U9A.13 U9A.16 U9B.9 U9B.13 U9B.16 U9C.9 U9C.13 U9C.16 U9D.9 U9D.13 U9D.16 U11.6 U15.2 U15.3 U15.5 U15.6 U15.9 U15.12 U15.13 U15.20 U15.34 U15.35 U15.37 U15.38 U15.40 U15.41 U15.44 U15.45 U15.52 U15.53 U15.55 U15.56 U18A.1 U18A.5 U18A.8 U18B.1 U18B.5 U18B.8 U18C.1 U18C.5 U18C.8 U18D.1 U18D.5 U18D.8 U20.4 U1000.A14 U1000.A15 U1000.A17 U1000.B14 U1000.B15 U1000.B16 U1000.B17 U1000.C13 U1000.C14 U1000.C16 U1000.D5 U1000.D6 U1000.D10 U1000.D13 U1000.D14 U1000.D15 U1000.D16 U1000.D18 U1000.E15 U1000.E16 U1000.E17 U1000.H14 U1000.J4 U1000.J5 U1000.J6 U1000.J14 U1000.K1 U1000.K2 U1000.K3 U1000.K5 U1000.K6 U1000.K15 U1000.K17 U1000.K18 U1000.L2 U1000.L3 U1000.L4 U1000.L5 U1000.L14 U1000.L18 U1000.M1 U1000.M2 U1000.M4 U1000.M5 U1000.M6 U1000.M14 U1000.M15 U1000.M16 U1000.M17 U1000.N1 U1000.N2 U1000.N3 U1000.N4 U1000.N6 U1000.N14 U1000.N16 U1000.N17 U1000.N18 U1000.P1 U1000.P3 U1000.P4 U1000.P5 U1000.P6 U1000.P14 U1000.P15 U1000.P16 U1000.P18 U1000.R1 U1000.R2 U1000.R3 U1000.R5 U1000.R6 U1000.R7 U1000.R13 U1000.R15 U1000.R16 U1000.R17 U1000.T2 U1000.T3 U1000.T4 U1000.T5 U1000.T7 U1000.T13 U1000.U1 U1000.U2 U1000.U4 U1000.U5 U1000.U6 U1000.U7 U1000.U10 U1000.V2 U1000.V3 U1000.V4 U1000.V6 U1000.V7 U1000.V8 U1008.6